# KiCad board schema_keyboard_game.kicad_pcb
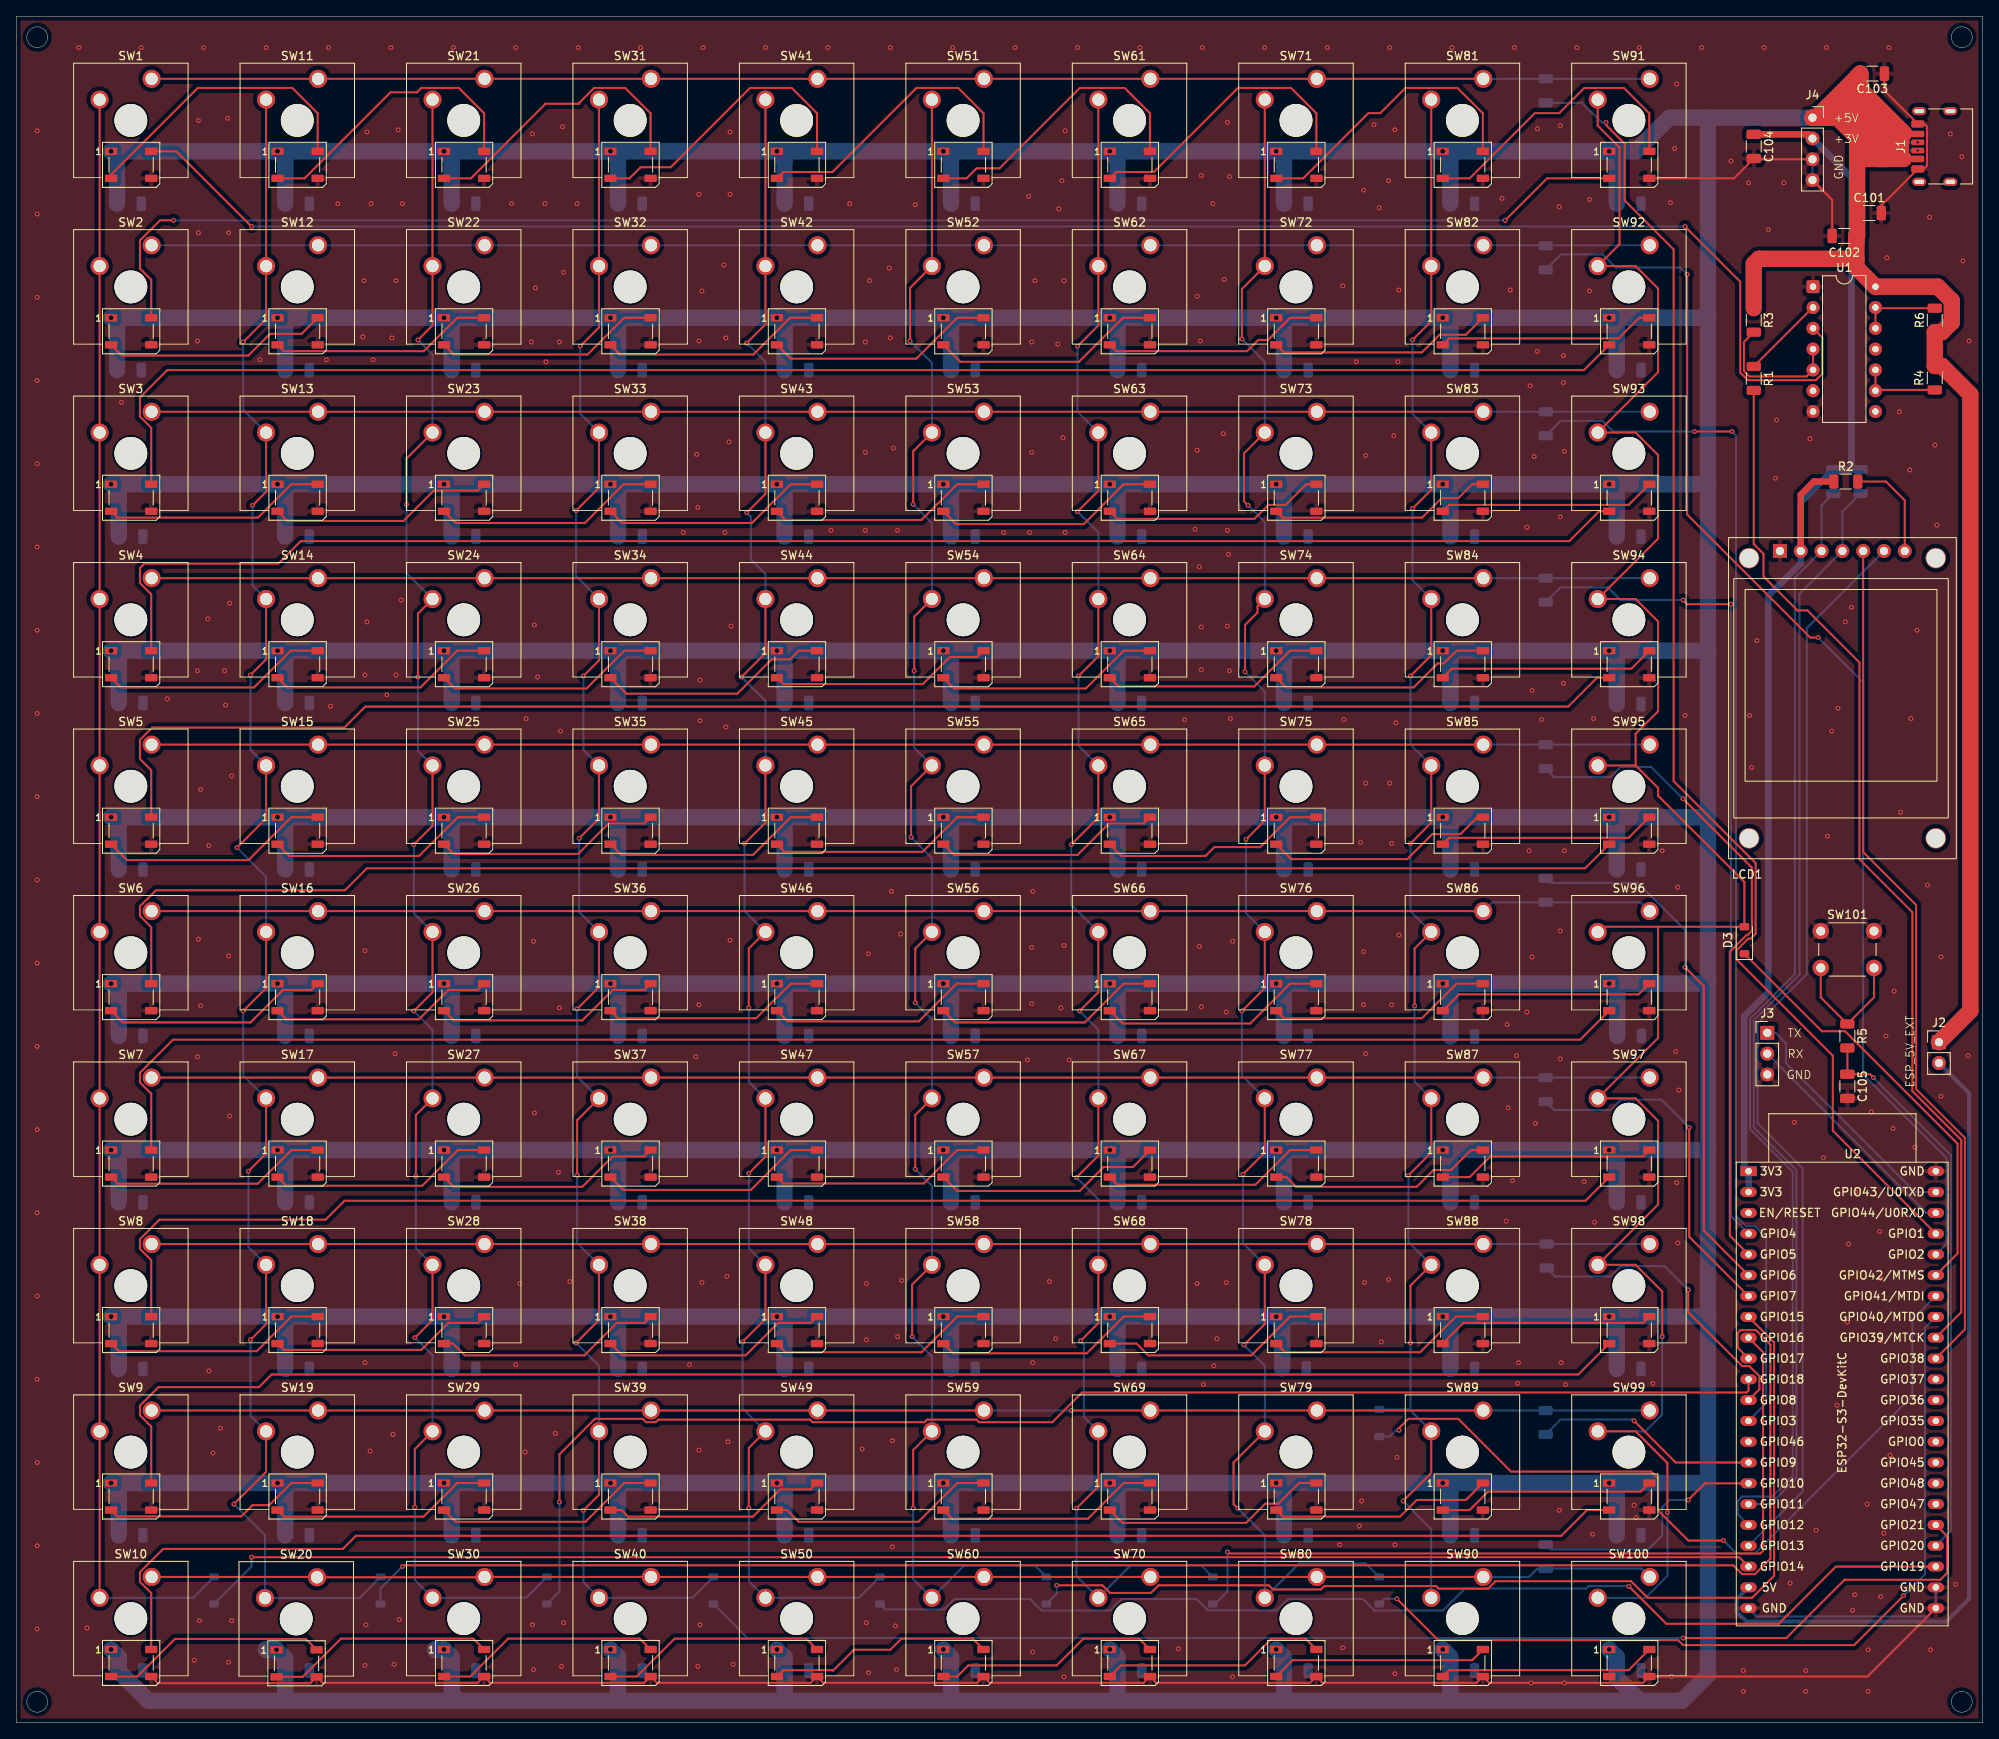
[diagram p0: board, top side]
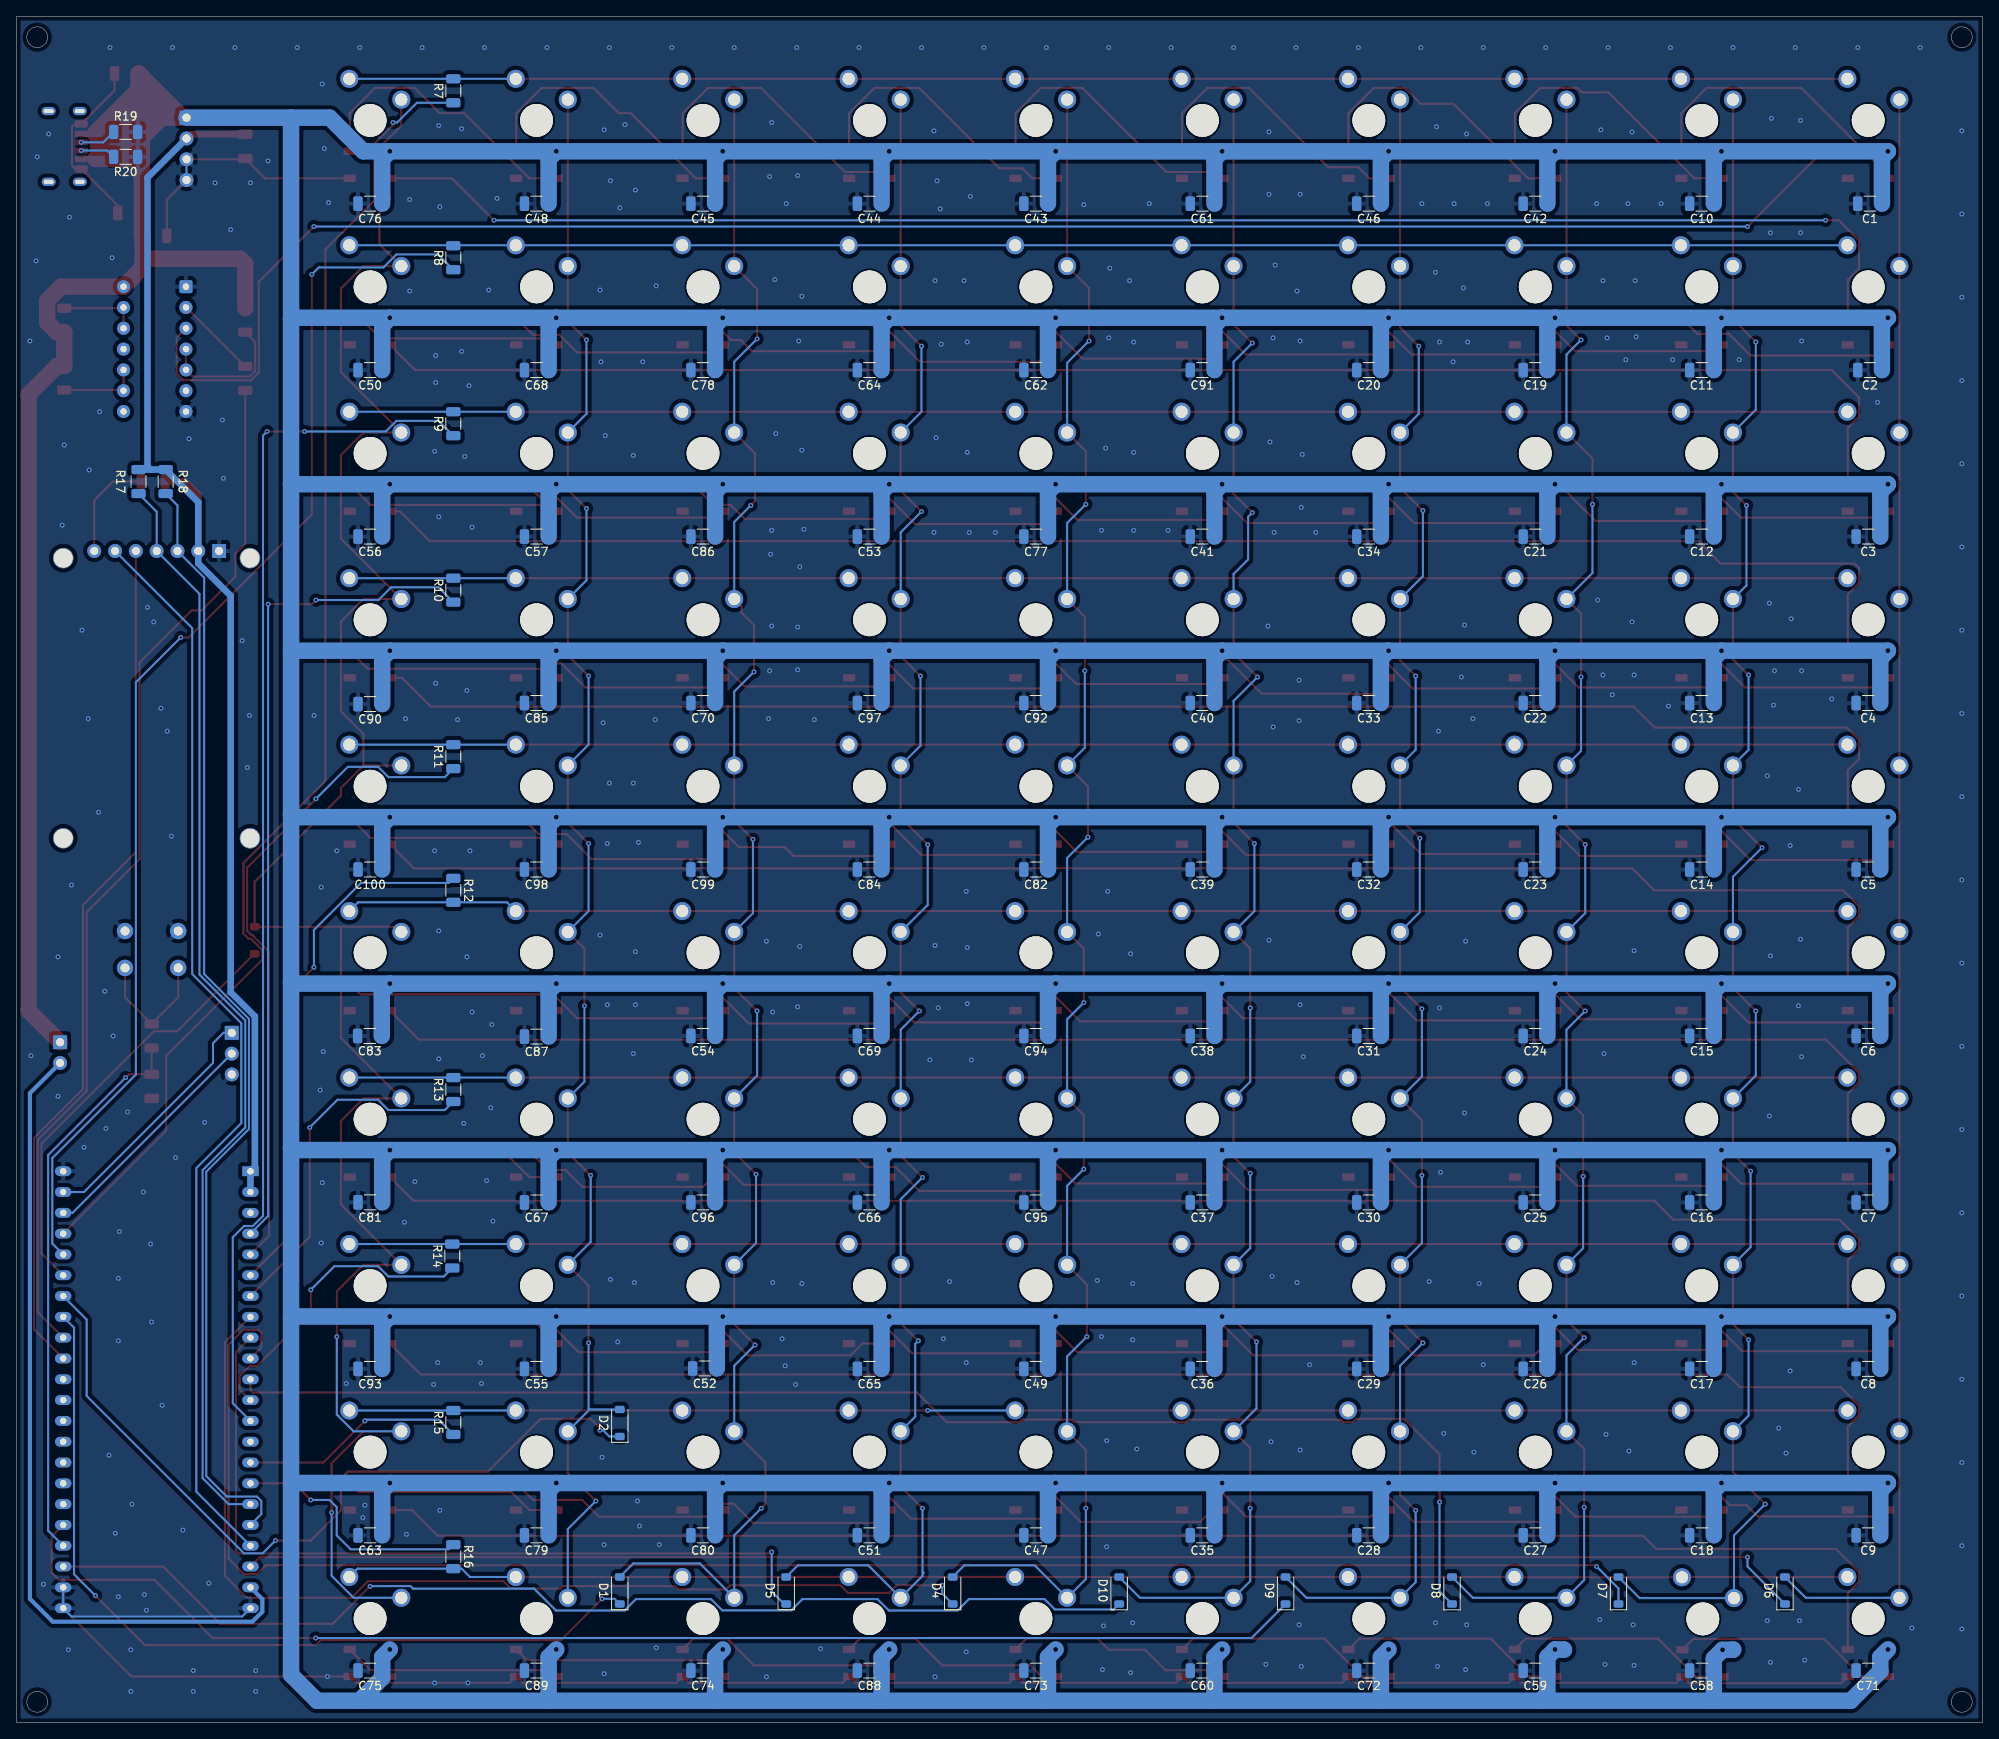
[diagram p1: board, bottom side, seen from below]

Outline 240.03 x 208.28 mm; copper layers: Top, Bottom. Coordinates in mm from the lower left corner of the outline.
Outline path: circle c2.54,205.74 r1.27 ; circle c2.54,2.54 r1.27 ; circle c237.49,205.74 r1.27 ; circle c237.49,2.54 r1.27 ; 0,208.28 240.03,208.28 240.03,0 0,0 0,208.28
Stack: Top 0.035mm / dielectric 1.51mm FR4 er 4.5 / Bottom 0.035mm

## Placement (name value [footprint] x y rotation side)
C1  100n  [C_1206_3216Metric]  13.77 185.42 0 bottom
C2  100n  [C_1206_3216Metric]  13.77 165.1 0 bottom
C3  100n  [C_1206_3216Metric]  13.97 144.78 0 bottom
C4  100n  [C_1206_3216Metric]  13.97 124.46 0 bottom
C5  100n  [C_1206_3216Metric]  13.97 104.14 0 bottom
C6  100n  [C_1206_3216Metric]  13.97 83.82 0 bottom
C7  100n  [C_1206_3216Metric]  13.97 63.5 0 bottom
C8  100n  [C_1206_3216Metric]  13.97 43.18 0 bottom
C9  100n  [C_1206_3216Metric]  13.97 22.86 0 bottom
C10  100n  [C_1206_3216Metric]  34.29 185.42 0 bottom
C11  100n  [C_1206_3216Metric]  34.29 165.1 0 bottom
C12  100n  [C_1206_3216Metric]  34.29 144.78 0 bottom
C13  100n  [C_1206_3216Metric]  34.29 124.46 0 bottom
C14  100n  [C_1206_3216Metric]  34.29 104.14 0 bottom
C15  100n  [C_1206_3216Metric]  34.29 83.82 0 bottom
C16  100n  [C_1206_3216Metric]  34.29 63.5 0 bottom
C17  100n  [C_1206_3216Metric]  34.29 43.18 0 bottom
C18  100n  [C_1206_3216Metric]  34.29 22.86 0 bottom
C19  100n  [C_1206_3216Metric]  54.61 165.1 0 bottom
C20  100n  [C_1206_3216Metric]  74.93 165.1 0 bottom
C21  100n  [C_1206_3216Metric]  54.61 144.78 0 bottom
C22  100n  [C_1206_3216Metric]  54.61 124.46 0 bottom
C23  100n  [C_1206_3216Metric]  54.61 104.14 0 bottom
C24  100n  [C_1206_3216Metric]  54.61 83.82 0 bottom
C25  100n  [C_1206_3216Metric]  54.61 63.5 0 bottom
C26  100n  [C_1206_3216Metric]  54.61 43.18 0 bottom
C27  100n  [C_1206_3216Metric]  54.61 22.86 0 bottom
C28  100n  [C_1206_3216Metric]  74.93 22.86 0 bottom
C29  100n  [C_1206_3216Metric]  74.93 43.18 0 bottom
C30  100n  [C_1206_3216Metric]  74.93 63.5 0 bottom
C31  100n  [C_1206_3216Metric]  74.93 83.82 0 bottom
C32  100n  [C_1206_3216Metric]  74.93 104.14 0 bottom
C33  100n  [C_1206_3216Metric]  74.93 124.46 0 bottom
C34  100n  [C_1206_3216Metric]  74.93 144.78 0 bottom
C35  100n  [C_1206_3216Metric]  95.25 22.86 0 bottom
C36  100n  [C_1206_3216Metric]  95.25 43.18 0 bottom
C37  100n  [C_1206_3216Metric]  95.25 63.5 0 bottom
C38  100n  [C_1206_3216Metric]  95.25 83.82 0 bottom
C39  100n  [C_1206_3216Metric]  95.25 104.14 0 bottom
C40  100n  [C_1206_3216Metric]  95.25 124.46 0 bottom
C41  100n  [C_1206_3216Metric]  95.25 144.78 0 bottom
C42  100n  [C_1206_3216Metric]  54.61 185.42 0 bottom
C43  100n  [C_1206_3216Metric]  115.57 185.42 0 bottom
C44  100n  [C_1206_3216Metric]  135.89 185.42 0 bottom
C45  100n  [C_1206_3216Metric]  156.21 185.42 0 bottom
C46  100n  [C_1206_3216Metric]  74.93 185.42 0 bottom
C47  100n  [C_1206_3216Metric]  115.57 22.86 0 bottom
C48  100n  [C_1206_3216Metric]  176.53 185.42 0 bottom
C49  100n  [C_1206_3216Metric]  115.57 43.18 0 bottom
C50  100n  [C_1206_3216Metric]  196.85 165.1 0 bottom
C51  100n  [C_1206_3216Metric]  135.89 22.86 0 bottom
C52  100n  [C_1206_3216Metric]  155.99 43.23 0 bottom
C53  100n  [C_1206_3216Metric]  135.89 144.78 0 bottom
C54  100n  [C_1206_3216Metric]  156.21 83.82 0 bottom
C55  100n  [C_1206_3216Metric]  176.53 43.18 0 bottom
C56  100n  [C_1206_3216Metric]  196.85 144.78 0 bottom
C57  100n  [C_1206_3216Metric]  176.53 144.78 0 bottom
C58  100n  [C_1206_3216Metric]  34.29 6.35 0 bottom
C59  100n  [C_1206_3216Metric]  54.61 6.35 0 bottom
C60  100n  [C_1206_3216Metric]  95.25 6.35 0 bottom
C61  100n  [C_1206_3216Metric]  95.25 185.42 0 bottom
C62  100n  [C_1206_3216Metric]  115.57 165.1 0 bottom
C63  100n  [C_1206_3216Metric]  196.85 22.86 0 bottom
C64  100n  [C_1206_3216Metric]  135.89 165.1 0 bottom
C65  100n  [C_1206_3216Metric]  135.89 43.18 0 bottom
C66  100n  [C_1206_3216Metric]  135.89 63.5 0 bottom
C67  100n  [C_1206_3216Metric]  176.53 63.5 0 bottom
C68  100n  [C_1206_3216Metric]  176.53 165.1 0 bottom
C69  100n  [C_1206_3216Metric]  135.89 83.82 0 bottom
C70  100n  [C_1206_3216Metric]  156.21 124.46 0 bottom
C71  100n  [C_1206_3216Metric]  13.97 6.35 0 bottom
C72  100n  [C_1206_3216Metric]  74.93 6.35 0 bottom
C73  100n  [C_1206_3216Metric]  115.57 6.35 0 bottom
C74  100n  [C_1206_3216Metric]  156.21 6.35 0 bottom
C75  100n  [C_1206_3216Metric]  196.85 6.35 0 bottom
C76  100n  [C_1206_3216Metric]  196.85 185.42 0 bottom
C77  100n  [C_1206_3216Metric]  115.57 144.78 0 bottom
C78  100n  [C_1206_3216Metric]  156.21 165.1 0 bottom
C79  100n  [C_1206_3216Metric]  176.53 22.86 0 bottom
C80  100n  [C_1206_3216Metric]  156.21 22.86 0 bottom
C81  100n  [C_1206_3216Metric]  196.85 63.51 0 bottom
C82  100n  [C_1206_3216Metric]  115.57 104.14 0 bottom
C83  100n  [C_1206_3216Metric]  196.9 83.82 0 bottom
C84  100n  [C_1206_3216Metric]  135.89 104.14 0 bottom
C85  100n  [C_1206_3216Metric]  176.53 124.46 0 bottom
C86  100n  [C_1206_3216Metric]  156.21 144.78 0 bottom
C87  100n  [C_1206_3216Metric]  176.53 83.74 0 bottom
C88  100n  [C_1206_3216Metric]  135.89 6.35 0 bottom
C89  100n  [C_1206_3216Metric]  176.53 6.35 0 bottom
C90  100n  [C_1206_3216Metric]  196.85 124.33 0 bottom
C91  100n  [C_1206_3216Metric]  95.25 165.1 0 bottom
C92  100n  [C_1206_3216Metric]  115.57 124.46 0 bottom
C93  100n  [C_1206_3216Metric]  196.85 43.18 0 bottom
C94  100n  [C_1206_3216Metric]  115.57 83.82 0 bottom
C95  100n  [C_1206_3216Metric]  115.57 63.5 0 bottom
C96  100n  [C_1206_3216Metric]  156.21 63.5 0 bottom
C97  100n  [C_1206_3216Metric]  135.89 124.46 0 bottom
C98  100n  [C_1206_3216Metric]  176.53 104.14 0 bottom
C99  100n  [C_1206_3216Metric]  156.21 104.14 0 bottom
C100  100n  [C_1206_3216Metric]  196.85 104.14 0 bottom
C101  100n  [C_1206_3216Metric]  226.19 184.28 0 top
C102  100p  [C_1206_3216Metric]  223.14 181.48 0 top
C103  100n  [C_1206_3216Metric]  226.57 201.3 180 top
C104  100n  [C_1206_3216Metric]  212.09 192.41 270 top
C105  100p  [C_1206_3216Metric]  223.52 77.68 270 top
D1  1N4148  [D_SOD-123]  166.37 16.13 90 bottom
D2  1N4148  [D_SOD-123]  166.37 36.58 90 bottom
D3  1N4148  [D_SOD-123]  210.95 95.5 90 top
D4  1N4148  [D_SOD-123]  125.73 16.13 90 bottom
D5  1N4148  [D_SOD-123]  146.05 16.13 90 bottom
D6  1N4148  [D_SOD-123]  24.13 16.13 90 bottom
D7  1N4148  [D_SOD-123]  44.45 16.13 90 bottom
D8  1N4148  [D_SOD-123]  64.77 16.13 90 bottom
D9  1N4148  [D_SOD-123]  85.09 16.13 90 bottom
D10  1N4148  [D_SOD-123]  105.41 16.13 90 bottom
J1  USB_C_Receptacle_PowerOnly_6P  [USB_C_Receptacle_HRO_TYPE-C-31-M-17]  235.29 192.4 90 top
J2  Conn_01x02  [PinHeader_1x02_P2.54mm_Vertical]  234.7 83.06 0 top
J3  Conn_01x03  [PinHeader_1x03_P2.54mm_Vertical]  213.74 84.2 0 top
J4  Conn_01x04  [PinSocket_1x04_P2.54mm_Vertical]  219.26 195.92 0 top
LCD1  -  [ST7789_1.3_240x240_LCD_Module]  209.02 105.45 0 top
R1  470  [R_1206_3216Metric]  212.09 164.08 270 top
R2  4.7 K  [R_1206_3216Metric]  223.33 151.5 0 top
R3  5.1k  [R_1206_3216Metric]  212.09 171.2 270 top
R4  5.1k  [R_1206_3216Metric]  234.19 164.15 270 top
R5  470  [R_1206_3216Metric]  223.52 83.82 270 top
R6  5.1k  [R_1206_3216Metric]  234.19 171.2 90 top
R7  470  [R_1206_3216Metric]  186.69 199.2 90 bottom
R8  470  [R_1206_3216Metric]  186.69 178.82 90 bottom
R9  470  [R_1206_3216Metric]  186.69 158.56 90 bottom
R10  470  [R_1206_3216Metric]  186.69 138.24 90 bottom
R11  470  [R_1206_3216Metric]  186.69 117.92 90 bottom
R12  470  [R_1206_3216Metric]  186.69 101.6 270 bottom
R13  470  [R_1206_3216Metric]  186.69 77.28 90 bottom
R14  470  [R_1206_3216Metric]  186.82 56.96 90 bottom
R15  470  [R_1206_3216Metric]  186.69 36.64 90 bottom
R16  470  [R_1206_3216Metric]  186.69 20.26 270 bottom
R17  4.7 K  [R_1206_3216Metric]  225.12 151.49 90 bottom
R18  4.7 K  [R_1206_3216Metric]  221.81 151.49 90 bottom
R19  5.1k  [R_1206_3216Metric]  226.69 194.18 0 bottom
R20  5.1k  [R_1206_3216Metric]  226.69 191.13 0 bottom
SW1  ~  [SW_Cherry_MX_LED_2]  16.51 200.66 0 top
SW2  ~  [SW_Cherry_MX_LED_2]  16.51 180.34 0 top
SW3  ~  [SW_Cherry_MX_LED_2]  16.51 160.02 0 top
SW4  ~  [SW_Cherry_MX_LED_2]  16.51 139.7 0 top
SW5  ~  [SW_Cherry_MX_LED_2]  16.51 119.38 0 top
SW6  ~  [SW_Cherry_MX_LED_2]  16.51 99.06 0 top
SW7  ~  [SW_Cherry_MX_LED_2]  16.51 78.74 0 top
SW8  ~  [SW_Cherry_MX_LED_2]  16.51 58.42 0 top
SW9  ~  [SW_Cherry_MX_LED_2]  16.51 38.1 0 top
SW10  ~  [SW_Cherry_MX_LED_2]  16.51 17.78 0 top
SW11  ~  [SW_Cherry_MX_LED_2]  36.83 200.66 0 top
SW12  ~  [SW_Cherry_MX_LED_2]  36.83 180.34 0 top
SW13  ~  [SW_Cherry_MX_LED_2]  36.83 160.02 0 top
SW14  ~  [SW_Cherry_MX_LED_2]  36.83 139.7 0 top
SW15  ~  [SW_Cherry_MX_LED_2]  36.83 119.38 0 top
SW16  ~  [SW_Cherry_MX_LED_2]  36.83 99.06 0 top
SW17  ~  [SW_Cherry_MX_LED_2]  36.83 78.74 0 top
SW18  ~  [SW_Cherry_MX_LED_2]  36.83 58.42 0 top
SW19  ~  [SW_Cherry_MX_LED_2]  36.83 38.1 0 top
SW20  ~  [SW_Cherry_MX_LED_2]  36.7 17.74 0 top
SW21  ~  [SW_Cherry_MX_LED_2]  57.15 200.66 0 top
SW22  ~  [SW_Cherry_MX_LED_2]  57.15 180.34 0 top
SW23  ~  [SW_Cherry_MX_LED_2]  57.15 160.02 0 top
SW24  ~  [SW_Cherry_MX_LED_2]  57.15 139.7 0 top
SW25  ~  [SW_Cherry_MX_LED_2]  57.15 119.38 0 top
SW26  ~  [SW_Cherry_MX_LED_2]  57.15 99.06 0 top
SW27  ~  [SW_Cherry_MX_LED_2]  57.15 78.74 0 top
SW28  ~  [SW_Cherry_MX_LED_2]  57.15 58.42 0 top
SW29  ~  [SW_Cherry_MX_LED_2]  57.15 38.1 0 top
SW30  ~  [SW_Cherry_MX_LED_2]  57.15 17.78 0 top
SW31  ~  [SW_Cherry_MX_LED_2]  77.47 200.66 0 top
SW32  ~  [SW_Cherry_MX_LED_2]  77.47 180.34 0 top
SW33  ~  [SW_Cherry_MX_LED_2]  77.47 160.02 0 top
SW34  ~  [SW_Cherry_MX_LED_2]  77.47 139.7 0 top
SW35  ~  [SW_Cherry_MX_LED_2]  77.47 119.38 0 top
SW36  ~  [SW_Cherry_MX_LED_2]  77.47 99.06 0 top
SW37  ~  [SW_Cherry_MX_LED_2]  77.47 78.74 0 top
SW38  ~  [SW_Cherry_MX_LED_2]  77.47 58.42 0 top
SW39  ~  [SW_Cherry_MX_LED_2]  77.47 38.1 0 top
SW40  ~  [SW_Cherry_MX_LED_2]  77.47 17.78 0 top
SW41  ~  [SW_Cherry_MX_LED_2]  97.79 200.66 0 top
SW42  ~  [SW_Cherry_MX_LED_2]  97.79 180.34 0 top
SW43  ~  [SW_Cherry_MX_LED_2]  97.79 160.02 0 top
SW44  ~  [SW_Cherry_MX_LED_2]  97.79 139.7 0 top
SW45  ~  [SW_Cherry_MX_LED_2]  97.79 119.38 0 top
SW46  ~  [SW_Cherry_MX_LED_2]  97.79 99.06 0 top
SW47  ~  [SW_Cherry_MX_LED_2]  97.79 78.74 0 top
SW48  ~  [SW_Cherry_MX_LED_2]  97.79 58.42 0 top
SW49  ~  [SW_Cherry_MX_LED_2]  97.79 38.1 0 top
SW50  ~  [SW_Cherry_MX_LED_2]  97.79 17.78 0 top
SW51  ~  [SW_Cherry_MX_LED_2]  118.11 200.66 0 top
SW52  ~  [SW_Cherry_MX_LED_2]  118.11 180.34 0 top
SW53  ~  [SW_Cherry_MX_LED_2]  118.11 160.02 0 top
SW54  ~  [SW_Cherry_MX_LED_2]  118.11 139.7 0 top
SW55  ~  [SW_Cherry_MX_LED_2]  118.11 119.38 0 top
SW56  ~  [SW_Cherry_MX_LED_2]  118.11 99.06 0 top
SW57  ~  [SW_Cherry_MX_LED_2]  118.11 78.74 0 top
SW58  ~  [SW_Cherry_MX_LED_2]  118.11 58.42 0 top
SW59  ~  [SW_Cherry_MX_LED_2]  118.11 38.1 0 top
SW60  ~  [SW_Cherry_MX_LED_2]  118.11 17.78 0 top
SW61  ~  [SW_Cherry_MX_LED_2]  138.43 200.66 0 top
SW62  ~  [SW_Cherry_MX_LED_2]  138.43 180.34 0 top
SW63  ~  [SW_Cherry_MX_LED_2]  138.43 160.02 0 top
SW64  ~  [SW_Cherry_MX_LED_2]  138.43 139.7 0 top
SW65  ~  [SW_Cherry_MX_LED_2]  138.43 119.38 0 top
SW66  ~  [SW_Cherry_MX_LED_2]  138.43 99.06 0 top
SW67  ~  [SW_Cherry_MX_LED_2]  138.43 78.74 0 top
SW68  ~  [SW_Cherry_MX_LED_2]  138.43 58.42 0 top
SW69  ~  [SW_Cherry_MX_LED_2]  138.43 38.1 0 top
SW70  ~  [SW_Cherry_MX_LED_2]  138.43 17.78 0 top
SW71  ~  [SW_Cherry_MX_LED_2]  158.75 200.66 0 top
SW72  ~  [SW_Cherry_MX_LED_2]  158.75 180.34 0 top
SW73  ~  [SW_Cherry_MX_LED_2]  158.75 160.02 0 top
SW74  ~  [SW_Cherry_MX_LED_2]  158.75 139.7 0 top
SW75  ~  [SW_Cherry_MX_LED_2]  158.75 119.38 0 top
SW76  ~  [SW_Cherry_MX_LED_2]  158.75 99.06 0 top
SW77  ~  [SW_Cherry_MX_LED_2]  158.75 78.74 0 top
SW78  ~  [SW_Cherry_MX_LED_2]  158.75 58.42 0 top
SW79  ~  [SW_Cherry_MX_LED_2]  158.75 38.1 0 top
SW80  ~  [SW_Cherry_MX_LED_2]  158.75 17.78 0 top
SW81  ~  [SW_Cherry_MX_LED_2]  179.07 200.66 0 top
SW82  ~  [SW_Cherry_MX_LED_2]  179.07 180.34 0 top
SW83  ~  [SW_Cherry_MX_LED_2]  179.07 160.02 0 top
SW84  ~  [SW_Cherry_MX_LED_2]  179.07 139.7 0 top
SW85  ~  [SW_Cherry_MX_LED_2]  179.07 119.38 0 top
SW86  ~  [SW_Cherry_MX_LED_2]  179.07 99.06 0 top
SW87  ~  [SW_Cherry_MX_LED_2]  179.07 78.74 0 top
SW88  ~  [SW_Cherry_MX_LED_2]  179.07 58.42 0 top
SW89  ~  [SW_Cherry_MX_LED_2]  179.07 38.1 0 top
SW90  ~  [SW_Cherry_MX_LED_2]  179.07 17.78 0 top
SW91  ~  [SW_Cherry_MX_LED_2]  199.39 200.66 0 top
SW92  ~  [SW_Cherry_MX_LED_2]  199.39 180.34 0 top
SW93  ~  [SW_Cherry_MX_LED_2]  199.39 160.02 0 top
SW94  ~  [SW_Cherry_MX_LED_2]  199.39 139.7 0 top
SW95  ~  [SW_Cherry_MX_LED_2]  199.39 119.38 0 top
SW96  ~  [SW_Cherry_MX_LED_2]  199.39 99.06 0 top
SW97  ~  [SW_Cherry_MX_LED_2]  199.39 78.74 0 top
SW98  ~  [SW_Cherry_MX_LED_2]  199.39 58.42 0 top
SW99  ~  [SW_Cherry_MX_LED_2]  199.39 38.1 0 top
SW100  ~  [SW_Cherry_MX_LED_2]  199.39 17.78 0 top
SW101  SW_Push  [SW_PUSH_6mm]  220.27 96.63 0 top
U1  74AHCT125  [DIP-14_W7.62mm]  219.33 175.29 0 top
U2  ESP32-S3-DevKitC  [ESP32-S3-DevKit_ALI]  211.46 67.31 0 top

## Library data of the parts
C1-C105 = -: Description: Unpolarized capacitor; ki_fp_filters: C_*
D1-D10 = -: Description: Diode; Sim.Device: D; Sim.Pins: 1=K 2=A; ki_fp_filters: TO-???* *_Diode_* *SingleDiode* D_*
J1 = -: Datasheet: https://www.usb.org/sites/default/files/documents/usb_type-c.zip; Description: USB Power-Only 6P Type-C Receptacle connector; ki_fp_filters: USB*C*Receptacle*
J2 = -: Description: Generic connector, single row, 01x02, script generated (kicad-library-utils/schlib/autogen/connector/); ki_fp_filters: Connector*:*_1x??_*
J3 = -: Description: Generic connector, single row, 01x03, script generated (kicad-library-utils/schlib/autogen/connector/); ki_fp_filters: Connector*:*_1x??_*
J4 = -: Description: Generic connector, single row, 01x04, script generated (kicad-library-utils/schlib/autogen/connector/); ki_fp_filters: Connector*:*_1x??_*
LCD1 = -: Description: Graphics Display 128x64px,  8b parallel, 1/64 Duty, 3.3V or 5V VDD; Sim.Pins: 1=1 2=2 3=3 4=4 5=5 6=6 7=7 8=8; Sim.Device: SPICE; Sim.Params: type="X" model="ST7789" lib=""; ki_fp_filters: ST7789_Waveshare
R1-R20 = -: Description: Resistor; ki_fp_filters: R_*
SW101 = -: Description: Push button switch, generic, two pins
U1 = -: Datasheet: https://www.ti.com/lit/ds/symlink/sn74ahct125.pdf; Description: Quadruple Bus Buffer Gates With 3-State Outputs; ki_fp_filters: DIP*W7.62mm* SO14* SSOP?14* TSSOP?14* SOIC*3.9x8.7mm*P1.27mm*

## Footprints (pads in the part's own frame, mm; a bottom-side part is the same pattern mirrored in y, then rotated)
C_1206_3216Metric
  rrect 1.15x1.8 smd: 1(-1.475,0) 2(1.475,0)
D_SOD-123
  rrect 0.9x1.2 smd: 1(-1.65,0) 2(1.65,0)
DIP-14_W7.62mm
  rrect 1.6x1.6 hole 0.8: 1(0,0)
  round 1.6 hole 0.8: 2(0,-2.54) 3(0,-5.08) 4(0,-7.62) 5(0,-10.16) 6(0,-12.7) 7(0,-15.24) 8(7.62,-15.24) 9(7.62,-12.7) 10(7.62,-10.16) 11(7.62,-7.62) 12(7.62,-5.08) 13(7.62,-2.54) 14(7.62,0)
ESP32-S3-DevKit_ALI
  rect 2x1.2 hole 0.8: 1(0,0)
  oval 2x1.2 hole 0.8: 2(0,-2.54) 3(0,-5.08) 4(0,-7.62) 5(0,-10.16) 6(0,-12.7) 7(0,-15.24) 8(0,-17.78) 9(0,-20.32) 10(0,-22.86) 11(0,-25.4) 12(0,-27.94) 13(0,-30.48) 14(0,-33.02) 15(0,-35.56) 16(0,-38.1) 17(0,-40.64) 18(0,-43.18) 19(0,-45.72) 20(-0.004,-48.257) 21(-0.004,-50.797) 22(-0.004,-53.337) 23(22.86,-53.34) 24(22.86,-50.8) 25(22.86,-48.26) 26(22.86,-45.72) 27(22.86,-43.18) 28(22.86,-40.64) 29(22.86,-38.1) 30(22.86,-35.56) 31(22.86,-33.02) 32(22.86,-30.48) 33(22.86,-27.94) 34(22.86,-25.4) 35(22.86,-22.86) 36(22.86,-20.32) 37(22.86,-17.78) 38(22.86,-15.24) 39(22.86,-12.7) 40(22.86,-10.16) 41(22.86,-7.62) 42(22.86,-5.08) 43(22.86,-2.54) 44(22.86,0)
PinHeader_1x02_P2.54mm_Vertical
  rect 1.7x1.7 hole 1: 1(0,0)
  round 1.7 hole 1: 2(0,-2.54)
PinHeader_1x03_P2.54mm_Vertical
  rect 1.7x1.7 hole 1: 1(0,0)
  round 1.7 hole 1: 2(0,-2.54) 3(0,-5.08)
PinSocket_1x04_P2.54mm_Vertical
  rect 1.7x1.7 hole 1: 1(0,0)
  round 1.7 hole 1: 2(0,-2.54) 3(0,-5.08) 4(0,-7.62)
R_1206_3216Metric
  rrect 1.125x1.75 smd: 1(-1.462,0) 2(1.462,0)
ST7789_1.3_240x240_LCD_Module
  round 2.5 hole 2.3 unplated: (2.5,36.7) (2.5,2.5) (25.3,36.7) (25.3,2.5)
  rect 1.7x1.7 hole 1: 1(6.27,37.57)
  round 1.7 hole 1: 2(8.81,37.57) 3(11.35,37.57) 4(13.89,37.57) 5(16.43,37.57) 6(18.97,37.57) 7(21.51,37.57)
SW_Cherry_MX_LED_2
  round 4 hole 4 unplated: (-2.54,-5.08)
  rrect 1.5x0.9 smd: 1(-4.95,-8.85) 2(-4.95,-12.15) 3(-0.05,-12.15) 4(-0.05,-8.85)
  round 2.2 hole 1.5: 5(0,0) 6(-6.35,-2.54)
SW_PUSH_6mm
  round 2 hole 1.1: 1(0,0) 1(6.5,0) 2(0,-4.5) 2(6.5,-4.5)
USB_C_Receptacle_HRO_TYPE-C-31-M-17
  rrect 0.7x1.6 smd: A5(-0.5,3.18) B5(0.5,3.18)
  rrect 0.8x1.6 smd: A9(1.52,3.18) B9(-1.52,3.18)
  rrect 0.9x1.6 smd: A12(2.75,3.18) B12(-2.75,3.18)
  oval 1x1.7 hole 0.5x1.2: S1(-4.32,3) S1(-4.32,-0.8) S1(4.32,3) S1(4.32,-0.8)
